# Altium PCB PCB.PcbDoc (part 2 of 10) (continued)
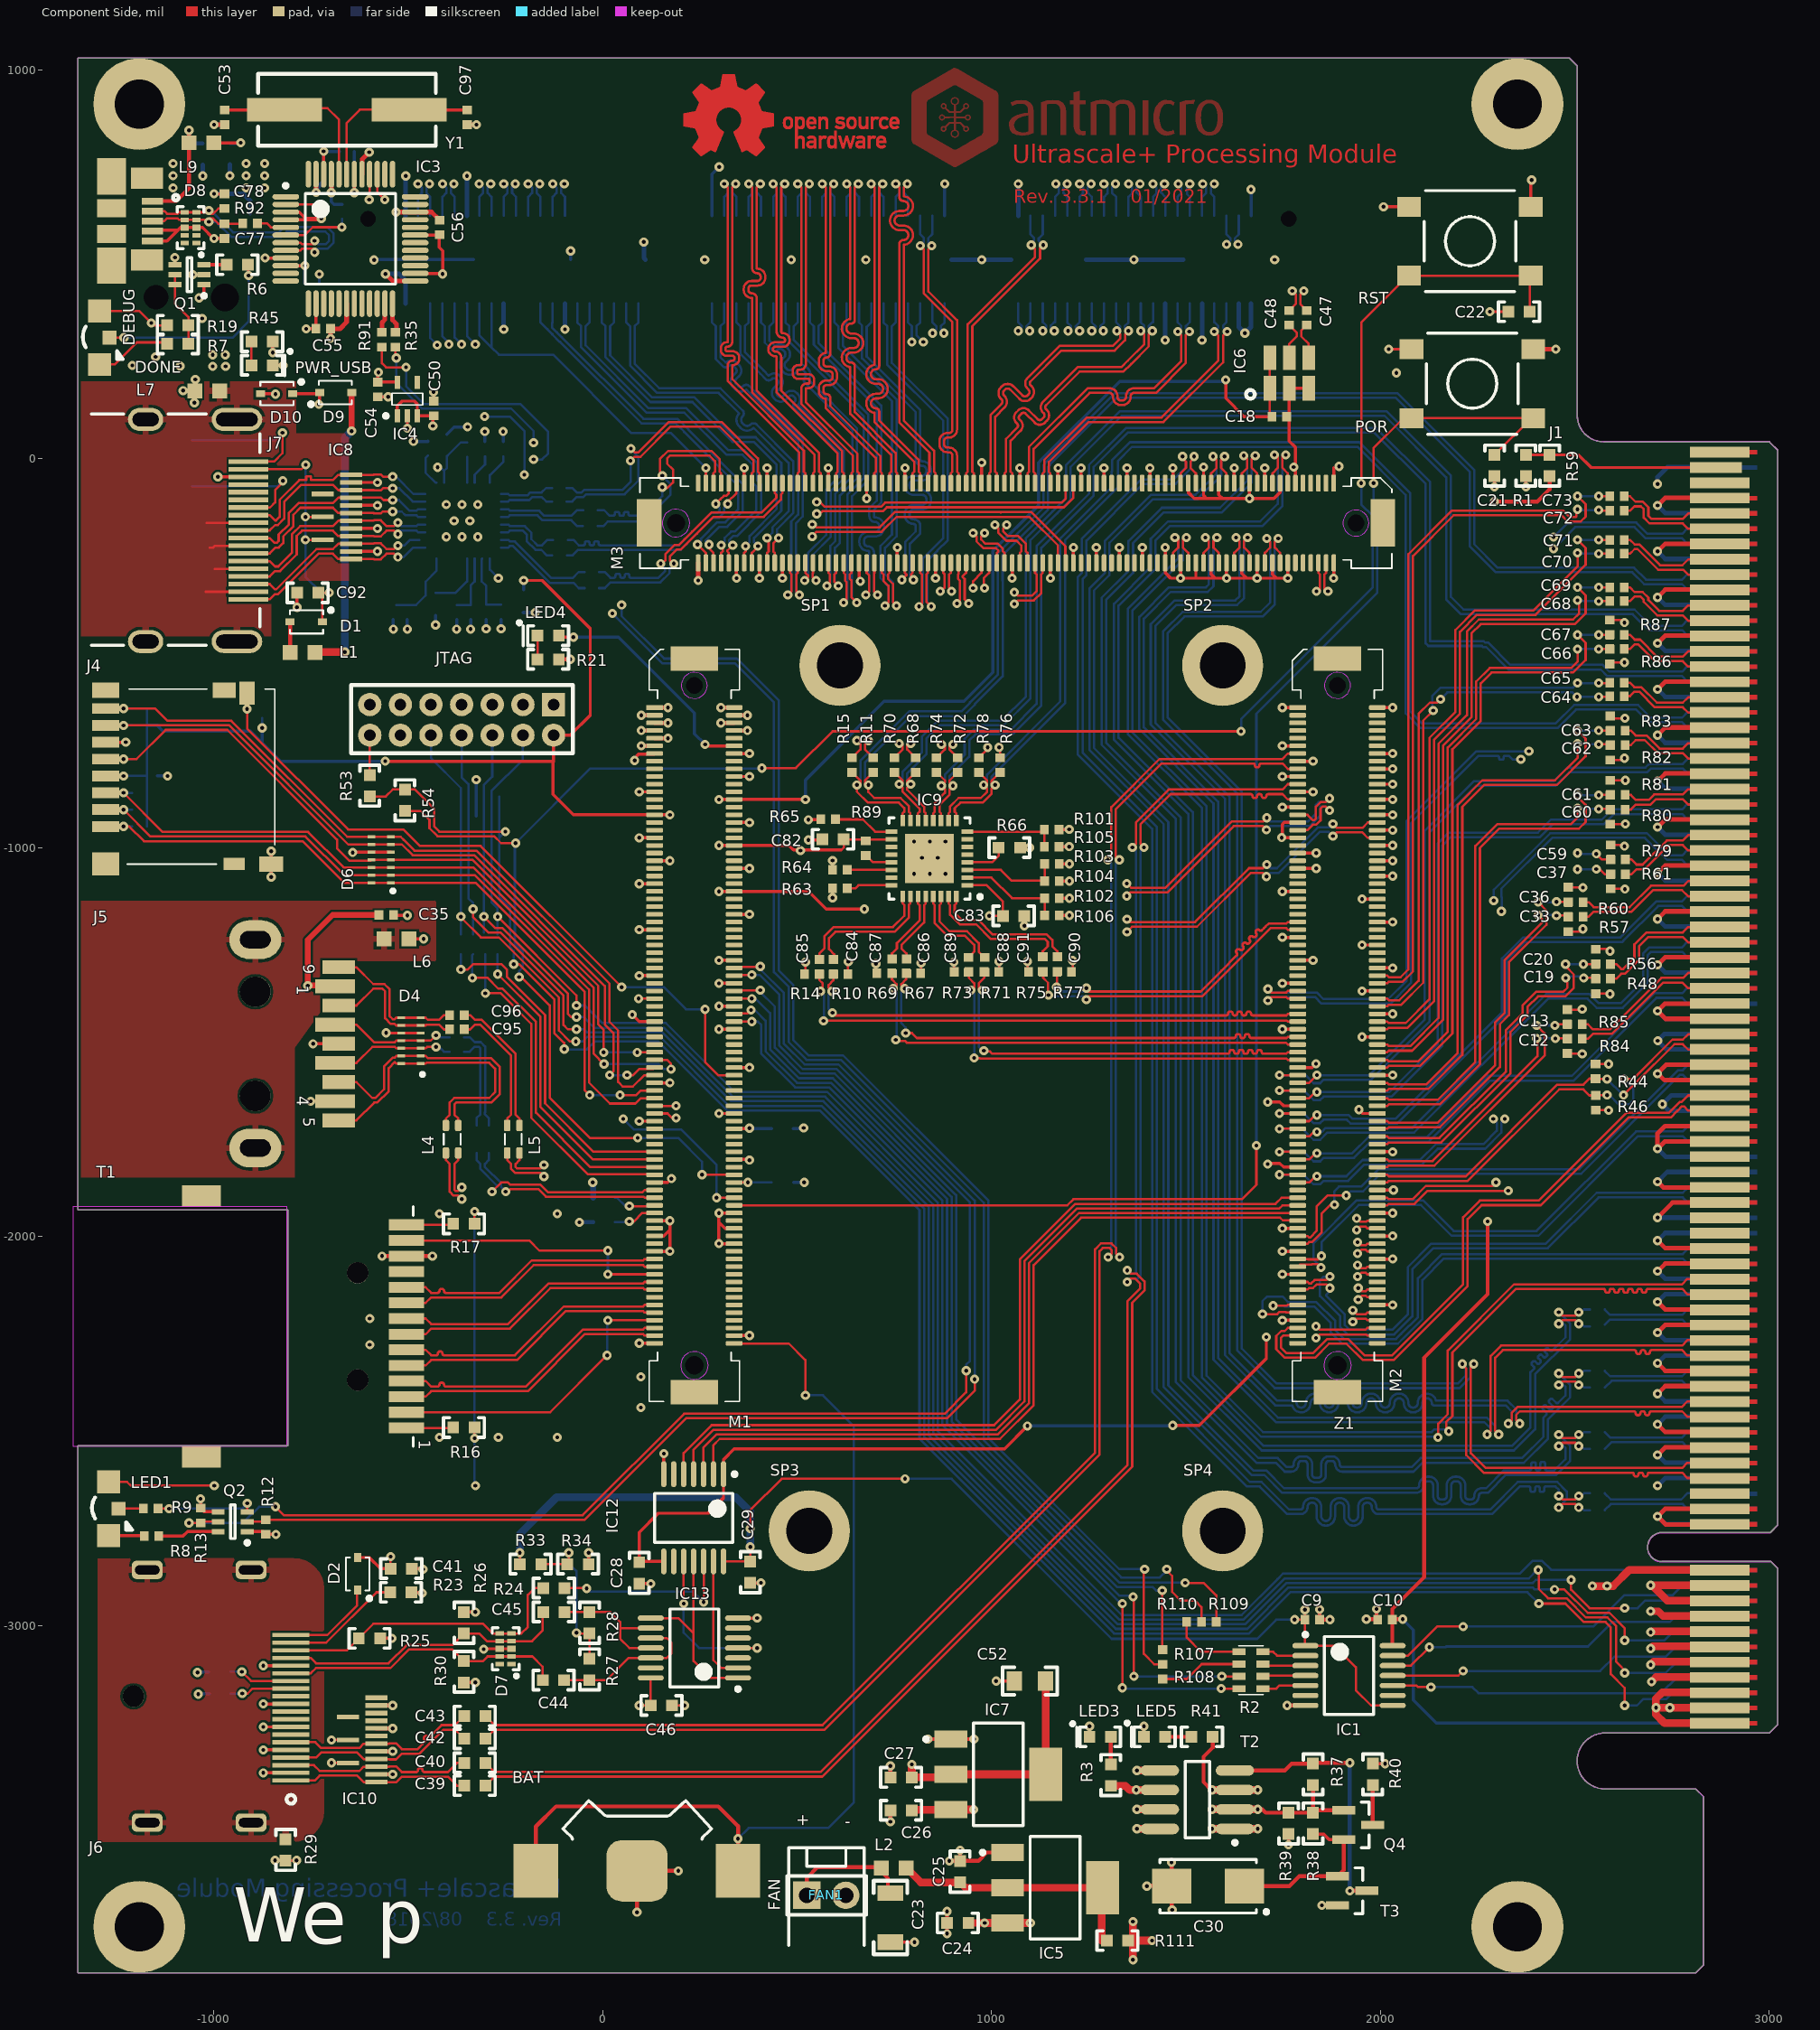
[diagram p0: Component Side view]
## Footprints (in the part's own frame and the unit in brackets; to place one, negate y for a bottom-side part, rotate by r counter-clockwise, add the part's x,y. Pads: shape width x height; smd on the part's side, far side on the other; paste and mask are expansions set on the pad) (continued)
  silkscreen extent -1.08,-1.1 0.15,1.5, body extent -0.67,-1.1 0.67,1.1, height 1.1
Testpad [mm] "Simple test pad 2mm in diameter"
  round 1.5 smd: 1(0,0)
TPD4E05U06_PASS [mm]
  rect 0.3x0.55 smd: 1(-1,-0.385) 1(-1,0.385) 2(-0.5,-0.385) 2(-0.5,0.385) 4(0.5,-0.385) 4(0.5,0.385) 5(1,-0.385) 5(1,0.385)
  rect 0.4x0.55 smd: 3(0,-0.385) 8(0,0.385)
  silkscreen extent -1.87,-0.87 1.38,0.87, body extent -1.25,-0.5 1.25,0.51, height 0.56
TPD6E05U06_PASS [mm]
  rect 0.2x0.5 smd: 5(0.5,-0.625) 8(1.5,-0.625) 8(1.5,0.625) 9(1,-0.625) 9(1,0.625) 10(0.5,0.625) 11(0,-0.625) 11(0,0.625) 12(-0.5,-0.625) 12(-0.5,0.625) 13(-1,-0.625) 13(-1,0.625) 14(-1.5,-0.625) 14(-1.5,0.625)
  silkscreen extent -2.13,-0.86 -1.93,-0.66, body extent -1.88,-0.63 1.93,0.64, height 0.6
TSSOP-14 [mm]
  oval 1.7x0.35 smd: 1(-2.85,1.95) 2(-2.85,1.3) 3(-2.85,0.65) 4(-2.85,0) 5(-2.85,-0.65) 6(-2.85,-1.3) 7(-2.85,-1.95) 8(2.85,-1.95) 9(2.85,-1.3) 10(2.85,-0.65) 11(2.85,0) 12(2.85,0.65) 13(2.85,1.3) 14(2.85,1.95)
  silkscreen extent -2.97,-2.55 1.6,2.8, body extent -2.25,-2.55 2.25,2.55, height 1.1
WE_692122030100 [mm] "Receptacle Dual port TH"
  rect 0.9x2.6 smd: 1(-3.75,2.498) 2(-1.25,2.498) 3(1.25,2.498) 4(3.75,2.498)
  rect 0.9x2.15 smd: 5(5,2.723) 6(2.5,2.723) 7(0,2.723) 8(-2.5,2.723) 9(-5,2.723)
  oval 2.52x3.4 hole 1.12 slot 2 at 90 deg: Z1(-6.8,-2.723) Z1(6.8,-2.723)
  round 2 hole 2 unplated: ""(-3.4,-2.723) ""(3.4,-2.723)
  body extent -7.55,-14.5 7.55,3.3, height 7.98

## Part data
BAT: library part Keystone_CR1025, "SMT holder for  CR1025 battery"
BS0 BS1 BS2 BS3 TP1 TP2: library part Testpad, "Testpad 2mm diameter"
C1 C2 C3 C4 C5 C6 C7 C8 C9 C10 C12 C13 C16 C17 C18 C19 C20 C31 C32 C33 C34 C35 C36 C37 C47 C48 C50 C54 C55 C56 C57 C59 C60 C61 C62 C63 C64 C65 C66 C67 C68 C69 C70 C71 C72 C73 C74 C75 C79 C80 C81 C84 C85 C86 C87 C88 C89 C90 C91 C95 C96: library part C_100n_0402, "MLCC SMT Capacitor 100nF 0402"
C11 C14 C21 C22 C28 C29 C39 C40 C41 C42 C43 C44 C45 C46 C49 C82 C83: library part C_100n_0603, "MLCC SMT Capacitor 100nF 0603"
C15 C92: library part C_1u_0603, "MLCC SMT Capacitor 1uF 0603"
C23: library part C_47u_1206, "MLCC SMT Capacitor 47uF 1206"
C24 C25 C26 C27: library part C_4u7_0603, "MLCC SMT Capacitor 4u7F 0603"
C30: library part C_22u_KEMET_C, "Tantalum SMT Capacitor 22uF Case KEMET_C"
C52: library part C_100u_0805, "MLCC SMT Capacitor 100uF 0805"
C53 C97: library part C_18p_0402, "MLCC SMT Capacitor 18pF 0603"
C76: library part C_10n_0603, "MLCC SMT Capacitor 10nF 0603"
C77 C78: library part C_47p_0402, "MLCC SMT Capacitor 47pF 0402"
D1 D2 D9 D10: "Diode small signal"
D3 D4 D6: library part TPD6E05U06_PASS, "ESD Suppressors 6-CH Pass through layout"
D7 D8: library part TPD4E05U06_PASS, "ESD Suppressors 4-CH"
DEBUG: library part CON-Molex-47346-0001, "USB - micro B Receptacle Connector 5 Position Surface Mount, Right Angle, Horizontal"
DONE LED1: "LED SMD 1104 red/green 3x1mm 140° Lens: transparent"
FAN: library part HEADER_1X2_male_angle, "1x2 pinhead male angle"
FAN1: library part molex_2223-2021, "Pinhead connector with key"
IC1 IC12: "4 bit voltage level translator"
IC2 IC9: "HDMI level shifter"
IC3: "Dual USB-UART/FIFO"
IC4: "Voltage Regulator, 2V to 5.5V, 175mV Dropout, 3.3Vout, 200mAout"
IC5 IC7: "LDO, 2V/5.5V, 1A, 5V,  SOT223"
IC6: "Standard Clock Oscillators 156.25MHz 3V3"
IC8 IC10: "8-Channel ESD Protection for DisplayPort and HDMI"
IC13: "3.3 V LVDS High Speed Differential Driver Receiver"
J1: "PCI Express x16 164 2.36 mm"
J2: "SAMTEC 	QSE-60-01-L-D-A  Stacking Board Connector, Dual Row, QSE Series, Receptacle, 0.8 m, 120 Contacts, Surface Mount"
J3: library part WE-694106106102, "DC Power Jack Right Angled SMT Ø6.4 with 4 soldering pads & pegs WR-DC"
J4: library part AMP-114-00841-68, "Micro SD card holder"
J5: library part WE_692122030100
J6: library part CON-Molex-047272-0001
J7: library part CON-Molex-471511001, "Header right angle HDMI"
JTAG: library part CON-Molex-87831-1420, "HEADER, SQUARE PIN, M/GRID, 14WAY"
L1 L6 L7 L9: "FERRITE BEAD, 0.025OHM, 3A, 0603"
L2: "MURATA 	BLM18EG221SN1D  FERRITE BEAD, 0.05OHM, 2A, 0603"
L3 L4 L5: "Common mode choke"
LED3 LED4 LED5 PWR_USB: library part LED_G, "LED Green 0603 case"
M1: library part Mercury_US1_A, "Enclustra Mercury Ultrascale connector"
M2: library part Mercury_US1_B, "Enclustra Mercury Ultrascale connector"
M3: library part Mercury_US1_C, "Enclustra Mercury Ultrascale connector"
Q1 Q2: "60 V, dual N-channel Trench MOSFET"
Q4: "P CH, 20V, 4A"
R1 R19 R52: library part R_10k_0603, "SMT Resistor 10k 0603"
R2: library part CAY16-220J4LF, "Bourns, 4 x 22R, CAY16"
R3 R41 R45: library part R_470R_0603, "SMT Resistor 470R 0603"
R4 R5 R12 R13 R20 R22 R42 R43 R47 R49 R50 R51 R63 R64 R65 R88 R89 R93: library part R_10k_0402, "SMT Resistor 0402"
R6 R7 R21: library part R_330R_0603, "SMT Resistor 330R 0603"
R8 R9: library part R_330R_0402, "SMT Resistor 0402"
R10 R11 R14 R15 R44 R46 R48 R56 R57 R60 R61 R67 R68 R69 R70 R71 R72 R73 R74 R75 R76 R77 R78 R79 R80 R81 R82 R83 R84 R85 R86 R87 R90 R94 R95 R96 R97 R98 R99 R100 R101 R102 R103 R104 R105 R106 R107 R108 R109 R110: library part R_0R_0402, "SMT Resistor 0402"
R16 R17: library part R_150R_0603, "SMT Resistor 150R 0603"
R18 R23 R29 R53 R55 R58 R59 R111: library part R_0R_0603, "SMT Resistor 0R 0603"
R24: library part R_10R_0603, "SMT Resistor 10R 0603"
R25 R37 R38 R39: library part R_100k_0603, "SMT Resistor 100k 0603"
R26 R30: library part R_100k_0603_1%, "SMT Resistor 100k 0603 1%"
R27 R28: library part R_50R_0603_1%, "SMT Resistor 50R 0603 1%"
R31 R32: library part R_1M_0603, "SMT Resistor 1M 0603"
R33: library part R_2k49_0603_1%, "SMT Resistor 2k49 0603 1%"
R34: library part R_1k5_0603, "SMT Resistor 1k5 0603"
R35 R91: library part R_22R_0402, "SMT Resistor 22R 0402"
R36: library part R_470R_0402, "SMT Resistor 470R 0402"
R40: library part R_100R_0603, "SMT Resistor 100R 0603"
R54: library part R_22R_0603, "SMT Resistor 22R 0603"
R62 R66: library part R_12k4_0603_1%, "SMT Resistor 12k4 0603 1%"
R92: library part R_1k54_0402, "SMT Resistor 1k54 0402"
RA1: library part RA-22R-63mW-5%-1206, "YAGEO (PHYCOMP)  TC164-JR-0722RL  RESISTOR ARRAY, ARC241 1206 22R"
SP1 SP2 SP3 SP4: library part WE_9774040243, "M2x4"
T1: library part WE_7498111120R, "LAN transformer 1000Base-T"
T2: "p-channel MOSFET, SI4447DY-T1-E3"
T3: library part BSS138, "MOSFET, N CH, 60V, 0.2A"
Y1: library part CRYSTAL_6MHz_SMD, "CRYSTAL, 6MHZ, 18PF, SMD"
Z1: library part MercuryModule_74x54

## Free pads (board coordinates)
  round 236.22 hole 125.98: M(-1190.94,-3773.62) M(-1190.94,911.42) M(2352.36,-3773.62) M(2352.36,911.42)

## Via types
v1: diameter 23.62, hole 9.84, Component Side to Solder Side, 902 vias

## Nets (pads, with @x,y where several pads share a name; then routed paths per layer and width w, separated by ;. In a path a pad name is that pad's centre, name@x,y a point inside that pad or via, vN(x,y) a via of type N, cw(c..) or ccw(c..) an arc to the next point about the centre after c; other vN are vias at no path point)
1V8_MOD: C28.2 IC12.1 IC12.8 J2.105 J2.107 M2.52 M2.64 M2.67 M2.76 M2.88 M2.95 M2.108 M2.128 M2.140 M2.143 M3.76 M3.83 M3.116 M3.123 M3.158 M3.165 | length 3618.7
  Component Side w8: C28.2@94.49,-2836.67 94.49,-2759.84 143.7,-2710.63 271.65,-2710.63 311.02,-2671.26 IC12.1@311.02,-2610.24 311.02,-2572.83 338.58,-2545.28 1033.46,-2545.28 v1(1092.52,-2486.22) ; C28.2@96.52,-2834.65 IC12.8@157.48,-2834.65 ; M3.165@265.75,-62.99 v1(265.75,-23.62) ; v1(344.49,-307.09) M3.158@344.49,-267.72 ; v1(679.13,-102.36) M3.123@679.13,-62.99 ; M3.116@757.87,-267.72 v1(757.87,-228.35) ; M3.83@1072.83,-62.99 v1(1072.83,-23.62) ; v1(1151.57,-307.09) M3.76@1151.57,-267.72 ; v1(1466,-2485) 1534.68,-2485 1706.69,-2312.99 v1(1706.69,-2257.87) ; v1(1748.03,-2037.4) M2.143@1787.4,-2037.4 ; M2.95@1787.4,-1564.96 1824.8,-1564.96 v1(1834.65,-1555.12) ; M2.67@1787.4,-1289.37 v1(1826.77,-1289.37) ; v1(1944.88,-1673.23) 1954.72,-1683.07 M2.108@1992.13,-1683.07 ; v1(1952.76,-1486.22) M2.88@1992.13,-1486.22 ; v1(1952.76,-1368.11) M2.76@1992.13,-1368.11 ; v1(1952.76,-1250) M2.64@1992.13,-1250 ; v1(1952.76,-1131.89) M2.52@1992.13,-1131.89 ; M2.140@1992.13,-1998.03 v1(2031.5,-1998.03) ; M2.128@1992.13,-1879.92 v1@2031.5,-1879.92
  Solder Side w5.91: J2.107@-316.99,399.02 -316.99,317.99 -286.75,287.75 ; J2.105@-285.49,399.02 -285.49,289.01 -286.75,287.75 ; v1(265.75,-23.62) 176.13,66 74.68,66 -126.74,267.42 -266.42,267.42 -286.75,287.75
  Solder Side w8: v1(1092.52,-2486.22) 1464.78,-2486.22 v1(1466,-2485)
  other v1: 2033.46,-1879.92
2V5_MOD: M1.53
3V3_FT: C54.2 C55.2 C56.2 C57.2 IC3.10 IC3.14 IC3.26 IC3.31 IC4.5 | length 1214.8
  Component Side w8: IC3.10@-814.34,496.1 v1(-765,496.1) ; v1(-762,334) C55.2@-736.9,334 -736.58,334.31 IC3.14@-736.58,398.66 ; v1(-576,222) -577.38,220.62 C54.2@-577.38,196.9 -527.67,196.9 IC4.5@-527.38,196.61 ; IC3.26@-481.66,476.42 -415.89,476.42 v1@-411.48,472 ; IC3.31@-481.66,574.84 -419.79,574.84 -419.79,543 -411,534.21 v1(-411,475)
  Power Plane w8: v1(-765,496.1) -762,493.1 v1(-762,334) -613.67,334 -576,296.33 ; v1(-576,222) -576,296.33 ; v1(-411,475) -460,475 -576,359 -576,296.33
  Solder Side w8: C57.2@-765.9,450 -765.9,496.1 v1@-765,497
3V3_MOD: C9.2 C11.2 C14.2 C15.2 C18.2 C29.2 C41.1 C46.2 C82.2 C83.2 D2.A DONE.1 IC1.1 IC1.8 IC2.1 IC2.18 IC6.1 IC6.6 IC9.1 IC9.18 IC10.13 IC10.14 IC12.14 IC13.14 J4.4 JTAG.2 LED1.1 M1.26 M1.29 M1.38 M1.41 M1.50 M1.74 M1.77 M1.86 R16.2 R17.2 R19.2 R20.2 R26.2 R33.2 R42.2 R43.2 R47.2 R49.2 R50.2 R51.2 R88.1 R89.1 R95.2 R96.2 R97.2 R101.2 R102.2 R103.2 | length 13560.9
  Component Side w5.91: DONE.1@-1293.31,379.92 -1190.94,379.92 -1154.02,343 R19.2@-1119.5,343 ; J4.4@-1277.41,-815.43 v1@-1227.43,-815.43 ; LED1.1@-1269.68,-2629.92 -1222.44,-2629.92 -1212.6,-2639.76 v1(-998.03,-2639.76) ; v1(-696.85,-3352.36) IC10.13@-654.53,-3352.36 ; v1(-696.85,-3293.31) IC10.14@-654.53,-3293.31 ; C41.1@-544.93,-2853.24 v1(-544.93,-2821.83) ; v1(-328.8,-2517.66) R16.2@-328.8,-2490.16 ; R17.2@-328.8,-1964.63 -328.8,-1935.1 v1(-328.74,-1935.04) ; R33.2@-212.54,-2841.61 v1(-212.54,-2812.14) ; v1(92.52,-1387.8) M1.77@133.86,-1387.8 ; v1(94.49,-3204.72) C46.2@124.07,-3204.72 ; C46.2@124.07,-3204.72 IC13.14@124.02,-3133.86 ; IC12.14@311.02,-2834.65 C29.2@379.86,-2834.65 ; C29.2@379.92,-2834.7 v1(379.92,-2797.24) ; v1(379.92,-2750) 379.92,-2702.7 460.57,-2622.05 v1(777.56,-2622.05) ; 614,-1005.91 620.13,-999.77 C82.2@620.13,-978.35 IC9.18@743.17,-978.35 ; IC9.1@938.05,-1096.46 987.46,-1096.46 1029.64,-1138.64 C83.2@1029.64,-1175.2 v1(994.58,-1175.2) ; C18.2@1715.75,113.78 IC6.1@1715.75,181.1 IC6.6@1715.75,259.84 ; v1(1779.53,-2984.25) C9.2@1805.91,-2984.25 ; v1(1805.91,-2958.66) C9.2@1805.91,-2984.25 ; IC1.8@2031.5,-3204.72 1976.38,-3204.72 1937.01,-3165.35 1937.01,-3106.3 1881.89,-3051.18 IC1.1@1807.09,-3051.18 1805.91,-3050 C9.2@1805.91,-2984.25
  Component Side w8: D2.A@-629.53,-2824.46 -600.04,-2824.46 -571.26,-2853.24 C41.1@-544.93,-2853.24 ; v1(-558.56,-777.56) -127.43,-777.56 ; R26.2@-356.3,-2964.63 v1(-326.83,-2964.63) ; v1(-202.76,-312.99) -155.51,-312.99 -31.5,-437.01 -31.5,-659.45 -82.68,-710.63 JTAG.2@-125.98,-710.63 -125.98,-779 -127.43,-777.56 ; M1.41@133.86,-1033.46 v1(173.23,-1033.46) ; v1(173.23,-915.35) M1.29@133.86,-915.35 -74.8,-915.35 -127.43,-862.73 -127.43,-777.56 ; v1(299.21,-1466.54) M1.86@338.58,-1466.54 ; v1(299.21,-1348.43) M1.74@338.58,-1348.43 ; v1(299.21,-1112.2) 529.59,-1112.2 574.86,-1157.48 v1(673.23,-1157.48) ; v1(299.21,-994.09) M1.38@338.58,-994.09 479.19,-994.09 491,-1005.91 614,-1005.91 ; v1(299.21,-875.98) M1.26@338.58,-875.98 v1(521.65,-875.98) ; R101.2@1173.37,-953 v1(1199.76,-953) ; R102.2@1173.94,-1129.8 v1(1200.33,-1129.8) ; R103.2@1173.94,-1041.4 v1(1200.33,-1041.4) ; v1(1602.36,202.76) 1602.36,155.51 1649.61,108.27 C18.2@1721.26,108.27
  Power Plane w5.91: v1(-1160,349) -1153,349 -1113,309 -1113,92 -1065.24,44.24 -720.24,44.24 -654,-22 v1(-424,-22) ; v1@-421.67,-22.62 v1@-421.67,-22
  Power Plane w19.68: v1(299.21,-1466.54) 299.21,-1644.1 214.57,-1728.74 214.57,-1870.08 257.87,-1913.39 257.87,-2039.37 326.77,-2108.27 326.77,-2334.65 379.92,-2387.8 v1(379.92,-2750)
  Solder Side w5.91: v1@-1227.43,-815.43 C15.2@-1199.5,-815.43 -1171.1,-815.43 ; R42.2@-1171.5,-642 -1171.1,-642.39 -1171.1,-685.5 -1171.1,-815.43 ; R51.2@-1171.1,-944.88 -1171.1,-815.43 ; v1(-875.1,-691.9) R20.2@-875.1,-666 ; v1(-424,-22) -416.92,-22 -407.48,-31.44 ; IC2.18@-407.48,-62.01 -407.48,-31.44 ; R88.1@-348.43,41.9 -364.19,41.9 C11.2@-398,8.09 -399.67,6.42 -399.67,-23.62 -407.48,-31.44 ; v1@-328.8,-1935.1 v1(-328.8,-2517.66) -328.8,-2637.74 ccw(c-326.77,-2637.74) v1(-326.77,-2639.76) ; IC2.1@-289.37,-256.89 -289.37,-285.43 v1(-267.72,-307.09) ; v1(777.56,-2622.05) 897.64,-2622.05 1309.06,-3033.46 1683.07,-3033.46 1732.28,-2984.25 v1(1779.53,-2984.25)
  Solder Side w8: R43.2@-1171.5,-685.5 -1171.1,-685.5 -1145,-685.5 -1130.5,-700 -905,-700 -875.1,-729.9 ; v1(-875.1,-691.9) -875.1,-729.9 ; v1(-558.56,-777.56) -827.44,-777.56 -875.1,-729.9 ; v1(-501.97,-438) R95.2@-501.97,-413.9 ; v1(-374.92,-438) R97.2@-374.92,-413.9 ; v1(-298.97,-436.9) R96.2@-298.97,-412.8 ; C14.2@-202.76,-336.89 v1(-202.76,-312.99) ; v1(521.65,-875.98) 521.65,-826.2 723.84,-624.02 929.13,-624.02 1004,-549.15 1004,-323.68 1003.94,-323.62 1003.94,-237.2 1121,-120.14 1121,-10.89 1125.92,-5.97 1125.92,-4.84 1329.58,198.82 v1@1604.39,198.82
  Solder Side w19.68: v1(-212.54,-2812.14) -212.54,-2763.72 -118.11,-2669.29 342.52,-2669.29 379.92,-2706.69 v1(379.92,-2750) v1(379.92,-2797.24)
  other v1: 509,-1007 -1231.46,-815.43
5V0: C27.2 C35.2 C52.2 D9.A IC7.2 IC7.4 J5.1 L1.1 R52.2 | length 6005.9
  Component Side w15: J5.1@-689.08,-1354.33 v1(-757.87,-1354.33) -757.87,-1236.87 -694,-1173 C35.2@-574.9,-1173 ; v1(-645,71) -645,169.46 D9.A@-644.46,170
  Component Side w20: L1.1@-738.91,-498 -737.91,-497 v1(-662.67,-497) ; v1(795.28,-3356.36) 795.22,-3356.42 C27.2@795.22,-3389.76 887.8,-3389.76 IC7.2@895.67,-3381.89 IC7.4@1139.76,-3381.89 1139.76,-3148.76 C52.2@1133,-3142
  Power Plane w15: -791.34,-1409.45 -757.87,-1375.98 v1(-757.87,-1354.33)
  Power Plane w20: v1(-662.67,-497) -670.25,-504.57 -670.25,-1023.78 -663.39,-1030.64 -663.39,-1122.05 -791.34,-1250 -791.34,-1409.45 -791.34,-1688 -715.34,-1764 -121,-1764 v1(-25,-1860) 125.75,-1860 214.57,-1948.82 214.57,-2079.85 288.2,-2153.48 288.2,-2368.91 332.68,-2413.39 332.68,-2909.45 362.2,-2938.98 574.8,-2938.98 795.28,-3159.45 v1(795.28,-3356.36)
  Solder Side w15: v1@-23.62,-1870.08 -23.56,-1870.14 R52.2@-23.56,-1899.61
  Solder Side w20: v1(-662.67,-497) -662.67,53.33 v1(-645,71)
5V_FT: C50.2 D9.C D10.C IC3.3 IC3.4 IC3.42 IC4.1 IC4.3 R36.1 R93.2 | length 1693.8
  Component Side w8: IC3.4@-814.34,614.21 -726.38,614.21 v1(-723,617.59) -763.59,617.59 -779.9,633.9 IC3.3@-814.34,633.9 ; D10.C@-796.46,167.4 -730.13,167.4 D9.C@-727.54,170 -727.54,141.93 v1(-729.46,140) ; IC3.42@-638.16,731.34 -638.1,731.28 v1(-638.1,684) ; IC4.1@-527.38,110 -527.38,136.02 -515.4,148 -484,148 -476.2,140.2 IC4.3@-476.2,110 -434.35,110 -436,108.35 v1(-436,84)
  Power Plane w8: v1(-638.1,684) -638.1,666.55 -687.06,617.59 v1(-723,617.59) -771,617.59 -793,595.59 -793,176.4 -756.6,140 v1(-729.46,140) -726.75,137.28 -453.28,137.28 -436,120 v1(-436,84)
  Solder Side w8: R93.2@-752,615.98 v1@-724.61,615.98 ; v1(-638.1,684) R36.1@-638.1,790
5V_HDMI: C92.2 D1.C IC8.13 IC8.14 J7.18 | length 710.1
  Component Side w5.91: J7.18@-910.08,-26.98 -773.98,-26.98 v1(-763,-16) ; v1(-763.78,-149.61) IC8.14@-719.49,-149.61 ; v1@-761.81,-208.66 IC8.13@-719.49,-208.66 ; D1.C@-720.28,-419.29 -720.28,-354.59 C92.2@-730.37,-344.49 v1(-702.76,-344.49)
  Solder Side w5.91: v1@-763.78,-16 v1(-763.78,-149.61) v1(-763.78,-208.66) -763.78,-303.15 -722.44,-344.49 v1(-702.76,-344.49)
5V_USB_D: C49.2 D10.A L9.1 R45.2 | length 889.9
  Component Side w8: L9.1@-997.54,810.62 L9.1@-998.91,812 v1(-930,812) ; D10.A@-879.54,167.4 -842.4,167.4 v1(-841,166) ; v1(-848,273) -848,300.5 R45.2@-847.5,301
  Power Plane w8: v1(-930,812) -878.35,812 -835.97,769.62 -835.97,285.03 v1(-848,273) -847.5,272.5 -847.5,172.5 v1(-841,166)
  Solder Side w8: C49.2@-958,810.5 -931.5,810.5 v1(-930,812)
BOOT_MODE_0: M1.126 R55.1 | length 96.5
  Component Side w5.91: M1.126@338.58,-1860.24 v1(374.02,-1860.24)
  Solder Side w5.91: v1(374.02,-1860.24) R55.1@435.1,-1860.24
BOOT_MODE_1: M1.112 R58.1 | length 96.5
  Component Side w8: M1.112@338.58,-1722.44 v1@377.95,-1722.44
  Solder Side w8: v1@377.95,-1722.44 R58.1@435.1,-1722.44
  other v1: 377.95,-1721
BROADCAST_BS0: BS0.1 IC1.10 J1.A4 | length 863.9
  Component Side w5.91: IC1.10@2031.5,-3153.54 2092.52,-3153.54 2096.46,-3157.48 v1(2129.92,-3157.48)
  Solder Side w5.91: v1(2129.92,-3157.48) BS0.1@2173.23,-3157.48 2236.22,-3157.48 2251.97,-3173.23 2721.46,-3173.23 2762.8,-3131.89 J1.A4@2870.08,-3131.89
BROADCAST_BS1: BS1.1 IC1.11 J1.A6 | length 869.6
  Component Side w5.91: IC1.11@2031.5,-3127.95 2200.79,-3127.95 v1(2212.6,-3116.14)
  Solder Side w5.91: v1(2212.6,-3116.14) BS1.1@2259.84,-3116.14 2564.96,-3116.14 2601.38,-3079.72 2733.27,-3079.72 2759.84,-3053.15 J1.A6@2870.08,-3053.15
BROADCAST_BS2: BS2.1 IC1.12 J1.A8 | length 892.4
  Component Side w5.91: IC1.12@2031.5,-3102.36 2078.68,-3102.36 v1(2125.98,-3055.06)
  Solder Side w5.91: v1(2125.98,-3055.06) 2167.38,-3055.06 BS2.1@2169.29,-3053.15 2533.46,-3053.15 2596.46,-2990.16 2744.09,-2990.16 2760.83,-2973.43 2869.1,-2973.43 J1.A8@2870.08,-2974.41
BROADCAST_BS3: BS3.1 IC1.13 J1.A10 | length 907.7
  Component Side w5.91: IC1.13@2031.5,-3076.77 2070.87,-3076.77 2145.67,-3001.97 v1@2206.69,-3001.97
  Solder Side w5.91: v1(2212.6,-3001.97) BS3.1@2259.84,-3001.97 2547.24,-3001.97 2627.95,-2921.26 2751.97,-2921.26 2777.56,-2895.67 J1.A10@2870.08,-2895.67
BROADCAST_CLK: J1.A2
BS0: M1.84 R2.7 | length 2508.4
  Component Side w5.91: M1.84@338.58,-1446.85 v1(383.86,-1446.85) ; v1@1336.61,-3151.57 v1(1336.61,-2942.91) ; v1(1590.55,-3161.42) R2.7@1636.81,-3161.42
  Solder Side w5.91: v1(383.86,-1446.85) 399.61,-1446.85 407.48,-1454.72 407.48,-1528.34 495.28,-1616.14 582.56,-1616.14 874.02,-1907.6 874.02,-2484.31 1332.61,-2942.91 v1(1336.61,-2942.91) ; v1(1336.61,-3159.45) 1344.49,-3159.45 1346.46,-3161.42 v1(1590.55,-3161.42)
BS1: M1.82 R2.5 | length 2514.3
  Component Side w5.91: M1.82@338.58,-1427.17 339.57,-1426.18 373.03,-1426.18 v1(381.89,-1417.32) ; v1(1364.17,-2925.2) 1366.14,-2927.17 v1(1366.14,-3129.92) ; v1(1592.52,-3129.92) R2.5@1636.81,-3129.92
  Solder Side w5.91: v1(381.89,-1417.32) 391.73,-1417.32 419.29,-1444.88 419.29,-1523.45 500.17,-1604.33 587.45,-1604.33 885.83,-1902.7 885.83,-2479.42 1328.65,-2922.24 1361.21,-2922.24 v1(1364.17,-2925.2) ; v1(1366.14,-3129.92) v1(1592.52,-3129.92)
BS2: R2.3 R108.1 | length 212.7
  Component Side w5.91: R108.1@1440,-3136.8 1502.2,-3136.8 1540.57,-3098.43 R2.3@1636.81,-3098.43
BS3: R2.1 R110.1 | length 190.1
  Component Side w5.91: R110.1@1502.1,-2990 1502.1,-3030.1 1538.93,-3066.93 R2.1@1636.81,-3066.93
C_USB_D_L_N: D4.11 J5.2 R90.2 | length 315.9
  Component Side w5.91: J5.2@-687.11,-1454.72 -632.67,-1454.72 -587.46,-1499.94 -534.01,-1499.94 -530.07,-1496 D4.11@-517.01,-1496 D4.11@-467.8,-1496 -442,-1496 v1(-428,-1482)
  Solder Side w5.91: v1@-423.95,-1487.05 R90.2@-393.3,-1487.05
C_USB_D_L_P: D4.12 J5.3 R94.2 | length 317.6
  Component Side w5.91: J5.3@-687.11,-1553.15 -632.67,-1553.15 -591.27,-1511.75 -534.01,-1511.75 -530.07,-1515.69 D4.12@-517.01,-1515.69 D4.12@-467.8,-1515.69 -454.67,-1515.69 -450.98,-1512 v1(-428,-1512) ; v1@-428,-1515.69 -425.32,-1515.69 v1@-424,-1517
  Solder Side w5.91: v1@-424,-1517 -414.72,-1517 -407.67,-1524.05 R94.2@-393.3,-1524.05
C_USB_TX_L_N: C95.2 D4.9 J5.8 | length 388.7
  Component Side w5.91: J5.8@-678.25,-1405.51 -632.67,-1405.51 -589.36,-1362.2 -565.8,-1362.2 -559,-1369 -559,-1438.07 -544.38,-1452.69 -534.61,-1452.69 -530.67,-1456.63 D4.9@-517.01,-1456.63 D4.9@-467.8,-1456.63 -454.67,-1456.63 -452.49,-1454.45 -420.26,-1454.45 -407.67,-1467.05 C95.2@-393.2,-1467.05
C_USB_TX_L_P: C96.2 D4.8 J5.9 | length 390.1
  Component Side w5.91: J5.9@-678.25,-1307.09 -632.67,-1307.09 -589.36,-1350.39 -560.9,-1350.39 -547.19,-1364.11 -547.19,-1433.18 -539.49,-1440.88 -534.61,-1440.88 -530.67,-1436.94 D4.8@-517.01,-1436.94 D4.8@-467.8,-1436.94 -454.67,-1436.94 -448.97,-1442.64 -420.26,-1442.64 -407.67,-1430.05 C96.2@-393.2,-1430.05
CLK_IN_1: J2.7 M3.77 | length 775.2
  Component Side w5.91: M3.77@1131.89,-62.99 1131.89,-38.02 1135.83,-34.08 1135.83,-3.47 1245.3,106 1437.3,106 1583.51,252.22 1583.51,316.32 v1(1572.83,327)
  Solder Side w5.91: v1(1572.83,327) 1583.51,337.68 1583.51,341 1573.53,350.98 1572.89,350.98 J2.7@1572.89,399.02
CLK_IN_2: J2.5 M3.75 | length 774.1
  Component Side w5.91: M3.75@1151.57,-62.99 1151.57,-38.02 1147.64,-34.08 1147.64,-8.36 1250.19,94.19 1442.19,94.19 1595.32,247.32 1595.32,316.32 v1(1606,327)
  Solder Side w5.91: J2.5@1604.39,399.02 1604.39,350.98 1595.32,341.92 1595.32,337.68 v1(1606,327)
CPM_BS2: M1.78 R107.2 | length 2275.4
  Component Side w5.91: M1.78@338.58,-1387.8 v1(383.86,-1387.8) ; v1(1438.98,-2909.45) 1438.98,-3060.17 R107.2@1440,-3061.2
  Solder Side w5.91: v1(383.86,-1387.8) 393.7,-1387.8 431.1,-1425.2 431.1,-1518.56 505.07,-1592.52 592.35,-1592.52 897.64,-1897.81 897.64,-2474.53 1323.7,-2900.59 1414.82,-2900.59 1423.68,-2909.45 v1(1438.98,-2909.45)
CPM_BS3: M1.76 R109.2 | length 2355
  Component Side w5.91: M1.76@338.58,-1368.11 339.57,-1367.13 404.52,-1367.13 v1(405.51,-1366.14) ; v1(1498.03,-2889.76) 1545.76,-2889.76 1577.9,-2921.9 R109.2@1577.9,-2990
  Solder Side w5.91: v1(405.51,-1366.14) 405.51,-1371.09 442.91,-1408.49 442.91,-1513.66 509.96,-1580.71 597.24,-1580.71 909.45,-1892.92 909.45,-2469.63 1328.59,-2888.78 1497.05,-2888.78 v1(1498.03,-2889.76)
CPM_JTAG_NRST: D3.13 J1.A3 R53.2 R54.1 | length 5402.8
  Component Side w5.91: R53.2@-598.43,-868.05 -557.09,-868.05 -539.49,-850.45 R54.1@-507.87,-850.45 -482.17,-850.45 -433.07,-899.55 -433.07,-944.88 -419.29,-958.66 v1(-250,-958.66) ; v1(-228.35,-1299.21) -214.45,-1299.21 -124.02,-1389.65 -124.02,-1475.98 -98.43,-1501.57 v1(-98.43,-1517.72) ; v1(2407.48,-2942.91) 2475.78,-2942.91 2523.02,-2990.16 2578.74,-2990.16 2592.52,-3003.94 2592.52,-3124.02 2627.95,-3159.45 v1(2627.95,-3204.77)
  Solder Side w5.91: D3.13@-265.75,-869.09 D3.13@-265.75,-918.31 -265.75,-974.41 ; v1(-250,-958.66) -265.75,-974.41 ; v1(-228.35,-1299.21) -228.35,-1264.76 -237.2,-1255.91 -237.2,-1154.53 -265.75,-1125.98 -265.75,-974.41 ; v1(-98.43,-1517.72) -97.44,-1518.7 -40.35,-1518.7 -19.68,-1498.03 143.4,-1498.03 320.57,-1675.2 558.1,-1675.2 814.96,-1932.06 814.96,-2519.57 1315.08,-3019.68 1662.37,-3019.68 1768.68,-2913.38 2377.95,-2913.38 v1(2407.48,-2942.91) ; v1(2627.95,-3204.77) 2659.45,-3204.77 2675.24,-3188.98 2734.25,-3188.98 2751.97,-3171.26 J1.A3@2870.08,-3171.26
CPM_JTAG_TCK: D3.11 J1.A5 JTAG.6 RA1.3 | length 5071.2
  Component Side w5.91: v1(-305.12,-1177.17) -275.59,-1206.69 -256.86,-1206.69 -88.58,-1374.97 -88.58,-1427.42 -80.96,-1435.04 v1@-68.9,-1435.04 ; v1(2405.51,-2856.3) 2407.48,-2858.27 2407.48,-2905.51 2431.1,-2929.13 2478.7,-2929.13 2527.91,-2978.35 2583.69,-2978.35 2606.3,-3000.96 2606.3,-3092.52 v1@2634.84,-3121.06
  Solder Side w5.91: RA1.3@-305.12,-1218.5 v1(-305.12,-1177.17) D3.11@-305.12,-918.31 D3.11@-305.12,-869.09 -305.12,-838.58 -283.46,-816.93 JTAG.6@-283.46,-710.63 ; v1@-68.9,-1435.04 v1(-66.93,-1435.04) -49.15,-1435.04 -21.59,-1462.6 158.08,-1462.6 335.25,-1639.76 572.78,-1639.76 850.39,-1917.38 850.39,-2504.89 1329.75,-2984.25 1647.7,-2984.25 1745.11,-2886.84 1754,-2877.95 2381.9,-2877.95 2403.54,-2856.3 v1(2405.51,-2856.3) ; v1@2634.84,-3121.06 2733.27,-3121.06 2761.81,-3092.52 J1.A5@2870.08,-3092.52
  other v1: 2627.95,-3121.06
CPM_JTAG_TDI: D3.8 J1.A7 JTAG.10 RA1.1 | length 5069.3
  Component Side w5.91: v1@-364.17,-1179.13 -312.99,-1230.31 -266.65,-1230.31 -112.2,-1384.76 -112.2,-1469.84 -84.02,-1498.03 v1(-68.9,-1498.03) ; v1(2447.84,-2906.5) 2472.77,-2906.5 2532.81,-2966.54 2588.58,-2966.54 2627.95,-3005.91 v1@2627.95,-3033.46 ; v1(2627.95,-3037.4) v1@2627.95,-3033.46 ; v1@2631.89,-3037.4 v1@2627.95,-3033.46
  Solder Side w5.91: JTAG.10@-440.94,-710.63 -440.94,-769.69 -364.17,-846.46 D3.8@-364.17,-869.09 D3.8@-364.17,-918.31 RA1.1@-364.17,-1222.44 ; v1(-68.9,-1498.03) -51.03,-1498.03 -39.22,-1486.22 148.3,-1486.22 325.46,-1663.39 562.99,-1663.39 826.77,-1927.17 826.77,-2514.68 1319.97,-3007.87 1657.48,-3007.87 1763.79,-2901.57 2391.73,-2901.57 2396.66,-2906.5 v1(2447.84,-2906.5) ; v1@2631.89,-3037.4 2730.32,-3037.4 2753.94,-3013.78 J1.A7@2870.08,-3013.78
  other v1: -364.17,-1177.17
CPM_JTAG_TDO: D3.9 J1.A9 JTAG.8 RA1.2 | length 4989.8
  Component Side w5.91: v1(-332.68,-1157.48) -332.68,-1178.84 -293.01,-1218.5 -261.75,-1218.5 -100.39,-1379.86 -100.39,-1455.61 -89.46,-1466.54 v1(-66.93,-1466.54) ; v1(2490.16,-2881.89) 2490.16,-2907.18 2537.7,-2954.72 v1(2627.95,-2954.72)
  Solder Side w5.91: JTAG.8@-362.2,-710.63 -362.2,-818.9 -344.49,-836.61 D3.9@-344.49,-869.09 D3.9@-344.49,-918.31 -344.49,-1129.92 -332.68,-1141.73 v1(-332.68,-1157.48) RA1.2@-332.68,-1222.44 ; v1(-66.93,-1466.54) -47.46,-1466.54 -39.59,-1474.41 153.19,-1474.41 330.35,-1651.57 567.88,-1651.57 838.58,-1922.27 838.58,-2509.78 1324.86,-2996.06 1652.59,-2996.06 1758.89,-2889.76 2391.78,-2889.76 2399.65,-2881.89 v1(2490.16,-2881.89) ; v1(2627.95,-2954.72) 2661.42,-2954.72 2681.1,-2935.04 J1.A9@2870.08,-2935.04
CPM_JTAG_TMS: D3.12 J1.A11 JTAG.4 RA1.4 | length 4862
  Component Side w5.91: v1(-269.69,-1177.17) -66.93,-1379.92 v1(-66.93,-1405.51)
  Solder Side w5.91: RA1.4@-269.69,-1222.44 v1(-269.69,-1177.17) -269.69,-1155.45 -285.43,-1139.71 D3.12@-285.43,-918.31 D3.12@-285.43,-869.09 -285.43,-854.33 -204.72,-773.62 JTAG.4@-204.72,-710.63 ; v1(-66.93,-1405.51) -45.28,-1405.51 0,-1450.79 162.97,-1450.79 340.14,-1627.95 577.67,-1627.95 862.2,-1912.49 862.2,-2500 1334.65,-2972.44 1642.8,-2972.44 1735.32,-2879.92 1749.11,-2866.14 2358.27,-2866.14 2391.73,-2832.68 2415.35,-2832.68 2438.98,-2856.3 J1.A11@2870.08,-2856.3
DEBUG_USB_D_N: C78.2 D8.5 DEBUG.2 IC3.8 | length 712.4
  Component Side w5.91: DEBUG.2@-1157.28,636.59 -1126.67,636.59 -1119.78,629.7 -1092.34,629.7 -1088.67,633.37 D8.5@-1074.16,633.37 D8.5@-1043.84,633.37 -1029.67,633.37 -1028.7,632.41 -1012,632.41 -1009,629.41 -1001.37,629.41 -987.67,643.1 C78.2@-972,643.1 ; IC3.8@-814.34,535.47 -776.67,535.47 -772.73,539.41 v1@-740.11,539.41
  Solder Side w5.91: v1(-1012,638.26) -1006.37,638.26 -950.1,582 -831,582 -817.19,595.81 -708.11,595.81 -691.19,578.89 -691.19,555.33 -707.11,539.41 -731.25,539.41 v1(-740.11,530.55)